# Altium PCB mPCIe_Breakout01_PCBONLY__12132021847.PcbDoc (part 1 of 2) (continued)
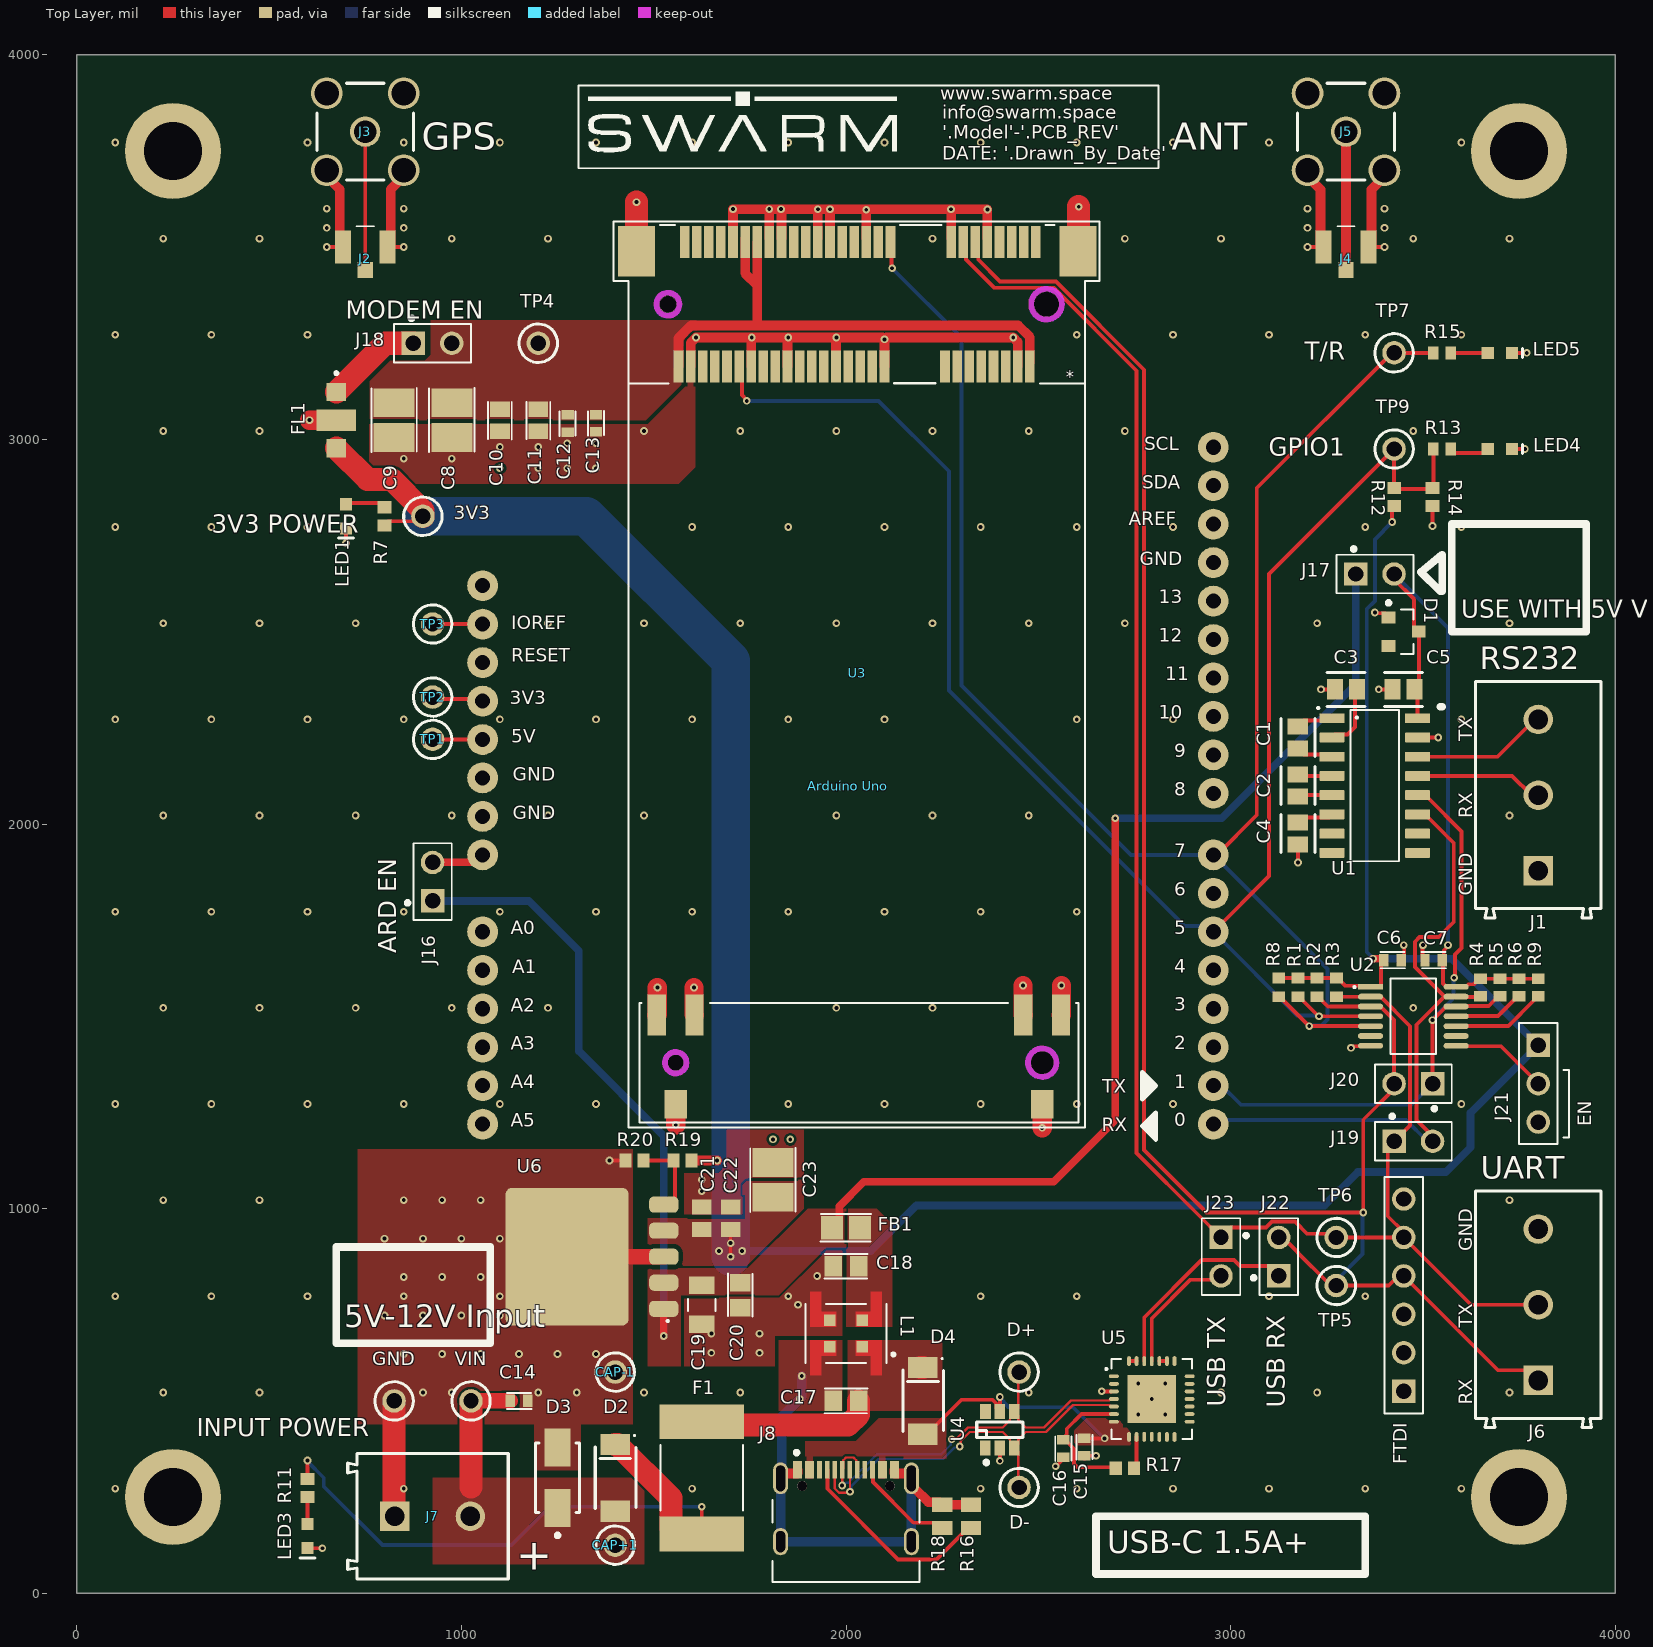
[diagram p0: Top Layer view]
## Design rules (kind name [scope] priority, off if disabled: settings)
AssemblyTestPointUsage [All] p1: allowmultiple=TRUE
AssemblyTestpoint [All] p1: testpointundercomponent=TRUE minsize=30 maxsize=100 preferedsize=35 minholesize=0 maxholesize=40 preferedholesize=0 testpointgrid=1 usegrid=FALSE gridtolerance=0.01 allowsidetop=TRUE allowsidebottom=TRUE minspacing=75 compbodyclearance=2.5
Clearance GND_L01_P173 [InNamedPolygon('GND_L01_P148')] p1: gap=10 ignorepadtopadclearanceinfootprint=FALSE except(0: Arc-Hole Track-Hole SMDPad-Hole THPad-Hole Via-Hole Fill-Hole Poly-Hole Region-Hole Text-Hole; 25: Arc-Fill Arc-Poly Arc-Region Track-Fill Track-Poly Track-Region SMDPad-Fill SMDPad-Poly SMDPad-Region)
Clearance Clearance_1 [InNamedPolygon('GND_L01_P171')] p2: gap=10 ignorepadtopadclearanceinfootprint=FALSE except(0: Arc-Hole Track-Hole SMDPad-Hole THPad-Hole Via-Hole Fill-Hole Poly-Hole Region-Hole Text-Hole; 15: Arc-Fill Arc-Poly Arc-Region Track-Fill Track-Poly Track-Region THPad-Fill THPad-Poly THPad-Region Via-Fill Via-Poly Via-Region Fill-Fill Fill-Poly Fill-Region Poly-Poly Poly-Region Region-Region; 25: SMDPad-Fill SMDPad-Poly SMDPad-Region)
Clearance Clearance_2 [InNamedPolygon('GND_L01_P144')] p3: gap=10 ignorepadtopadclearanceinfootprint=FALSE except(0: Arc-Hole Track-Hole SMDPad-Hole THPad-Hole Via-Hole Fill-Hole Poly-Hole Region-Hole Text-Hole; 15: Arc-Fill Arc-Poly Arc-Region Track-Fill Track-Poly Track-Region THPad-Fill THPad-Poly THPad-Region Via-Fill Via-Poly Via-Region Fill-Fill Fill-Poly Fill-Region Poly-Poly Poly-Region Region-Region; 25: SMDPad-Fill SMDPad-Poly SMDPad-Region)
Clearance Clearance_3 [InNamedPolygon('GND_L01_P179')] p4: gap=10 ignorepadtopadclearanceinfootprint=FALSE except(0: Arc-Hole Track-Hole SMDPad-Hole THPad-Hole Via-Hole Fill-Hole Poly-Hole Region-Hole Text-Hole; 15: Arc-Fill Arc-Poly Arc-Region Track-Fill Track-Poly Track-Region THPad-Fill THPad-Poly THPad-Region Via-Fill Via-Poly Via-Region Fill-Fill Fill-Poly Fill-Region Poly-Poly Poly-Region Region-Region; 25: SMDPad-Fill SMDPad-Poly SMDPad-Region)
Clearance Clearance_4 [InNamedPolygon('GND_L02_P201')] p5: gap=10 ignorepadtopadclearanceinfootprint=FALSE except(0: Arc-Hole Track-Hole SMDPad-Hole THPad-Hole Via-Hole Fill-Hole Poly-Hole Region-Hole Text-Hole; 15: Arc-Fill Arc-Poly Arc-Region Track-Fill Track-Poly Track-Region THPad-Fill THPad-Poly THPad-Region Via-Fill Via-Poly Via-Region Fill-Fill Fill-Poly Fill-Region Poly-Poly Poly-Region Region-Region; 25: SMDPad-Fill SMDPad-Poly SMDPad-Region)
Clearance Clearance_5 [InNamedPolygon('GND_L04_P195')] p6: gap=10 ignorepadtopadclearanceinfootprint=FALSE except(0: Arc-Hole Track-Hole SMDPad-Hole THPad-Hole Via-Hole Fill-Hole Poly-Hole Region-Hole Text-Hole; 15: Arc-Fill Arc-Poly Arc-Region Track-Fill Track-Poly Track-Region THPad-Fill THPad-Poly THPad-Region Via-Fill Via-Poly Via-Region Fill-Fill Fill-Poly Fill-Region Poly-Poly Poly-Region Region-Region; 25: SMDPad-Fill SMDPad-Poly SMDPad-Region)
Clearance [All] p7: gap=6 ignorepadtopadclearanceinfootprint=FALSE except(0: Arc-Hole Track-Hole SMDPad-Hole THPad-Hole Via-Hole Fill-Hole Poly-Hole Region-Hole Text-Hole; 12: SMDPad-Fill SMDPad-Poly SMDPad-Region)
ComponentClearance ComponentClearance_1 [(InComponent('Mod1') OR InComponent('Mod2'))] p1: gap=0 collisioncheckmode=3 verticalgap=0 showdistances=FALSE
ComponentClearance "Test Point Clearance" [All vs HasFootprint('SMT_TESTPOINT')] p2: gap=1 collisioncheckmode=3 verticalgap=1 showdistances=FALSE
ComponentClearance [All] p3: gap=-5 collisioncheckmode=3 verticalgap=-5 showdistances=TRUE
DiffPairsRouting [All] p1: maxlimit=10 minlimit=10 mostfreqgap=10 toplayer_minwidth=15 toplayer_maxwidth=15 toplayer_prefwidth=15 midlayer1_minwidth=15 midlayer1_maxwidth=15 midlayer1_prefwidth=15 midlayer2_minwidth=15 midlayer2_maxwidth=15 midlayer2_prefwidth=15 bottomlayer_minwidth=15 bottomlayer_maxwidth=15 bottomlayer_prefwidth=15 substack1={197EC8CC-9377-4415-BDF7-A3D1EB3DD0FE} toplayer_{197ec8cc-9377-4415-bdf7-a3d1eb3dd0fe}_minwidth=15 toplayer_{197ec8cc-9377-4415-bdf7-a3d1eb3dd0fe}_maxwidth=15 toplayer_{197ec8cc-9377-4415-bdf7-a3d1eb3dd0fe}_prefwidth=15 midlayer1_{197ec8cc-9377-4415-bdf7-a3d1eb3dd0fe}_minwidth=15 midlayer1_{197ec8cc-9377-4415-bdf7-a3d1eb3dd0fe}_maxwidth=15 midlayer1_{197ec8cc-9377-4415-bdf7-a3d1eb3dd0fe}_prefwidth=15 midlayer2_{197ec8cc-9377-4415-bdf7-a3d1eb3dd0fe}_minwidth=15 midlayer2_{197ec8cc-9377-4415-bdf7-a3d1eb3dd0fe}_maxwidth=15 midlayer2_{197ec8cc-9377-4415-bdf7-a3d1eb3dd0fe}_prefwidth=15 bottomlayer_{197ec8cc-9377-4415-bdf7-a3d1eb3dd0fe}_minwidth=15 bottomlayer_{197ec8cc-9377-4415-bdf7-a3d1eb3dd0fe}_maxwidth=15 bottomlayer_{197ec8cc-9377-4415-bdf7-a3d1eb3dd0fe}_prefwidth=15 substack2={3BC1737C-76C4-4E50-9252-438E091EDBF9} toplayer_{3bc1737c-76c4-4e50-9252-438e091edbf9}_minwidth=15 toplayer_{3bc1737c-76c4-4e50-9252-438e091edbf9}_maxwidth=15 toplayer_{3bc1737c-76c4-4e50-9252-438e091edbf9}_prefwidth=15 midlayer1_{3bc1737c-76c4-4e50-9252-438e091edbf9}_minwidth=15 midlayer1_{3bc1737c-76c4-4e50-9252-438e091edbf9}_maxwidth=15 midlayer1_{3bc1737c-76c4-4e50-9252-438e091edbf9}_prefwidth=15 midlayer2_{3bc1737c-76c4-4e50-9252-438e091edbf9}_minwidth=15 midlayer2_{3bc1737c-76c4-4e50-9252-438e091edbf9}_maxwidth=15 midlayer2_{3bc1737c-76c4-4e50-9252-438e091edbf9}_prefwidth=15 bottomlayer_{3bc1737c-76c4-4e50-9252-438e091edbf9}_minwidth=15 bottomlayer_{3bc1737c-76c4-4e50-9252-438e091edbf9}_maxwidth=15 bottomlayer_{3bc1737c-76c4-4e50-9252-438e091edbf9}_prefwidth=15 maxuncoupledlength=500
FabricationTestPointUsage [All] p1: valid=2 allowmultiple=TRUE
FabricationTestpoint [(IsPad And (OnTopLayer Or OnBottomLayer)) Or (IsPad And OnMultiLayer)] p1: side=3 testpointundercomponent=TRUE minsize=35 maxsize=100 preferedsize=60 minholesize=0 maxholesize=40 preferedholesize=32 testpointgrid=1 allowsidetop=TRUE allowsidebottom=TRUE usegrid=TRUE gridtolerance=0.01 minspacing=75 compbodyclearance=75 boardedgeclearance=125
Height [All] p1: minheight=0 maxheight=3000 prefheight=500
HoleSize [All] p1: absolutevalues=TRUE maxlimit=200 minlimit=1 maxpercent=80.000 minpercent=20.000
HoleToHoleClearance [All] p1: gap=20 allowstackedmicrovias=TRUE
MinimumAnnularRing [All] p1: minimumring=5
MinimumSolderMaskSliver [All] p1: minsoldermaskwidth=3
PolygonConnect PolygonConnect_TILE [InNamedPolygon('GND_L01_P148') vs InNamedPolygon('GND_L01_P148')] p1: thpad.connectstyle=Relief thpad.reliefconductorwidth=10 thpad.reliefentries=4 thpad.polygonreliefangle="45 Angle" thpad.airgapwidth=10 smdpad.connectstyle=Relief smdpad.reliefconductorwidth=15 smdpad.reliefentries=4 smdpad.polygonreliefangle="90 Angle" smdpad.airgapwidth=10 via.connectstyle=Direct via.reliefconductorwidth=10 via.reliefentries=4 via.polygonreliefangle="45 Angle" via.airgapwidth=10
PolygonConnect [All] p2: connectstyle=Direct reliefconductorwidth=15 reliefentries=4 polygonreliefangle="90 Angle" airgapwidth=10
RoutingVias [All] p1: holewidth=10 width=20 viastyle="Through Hole" minholewidth=10 minwidth=20 maxholewidth=10 maxwidth=20
SilkToSilkClearance [All] p1: silktosilkclearance=1
SilkToSolderMaskClearance SilkscreenOverComponentPads [IsPad] p1: minsilkscreentomaskgap=2 clearancetoexposedcopper=TRUE
SolderMaskExpansion [All] p1: expansion=2 istentingtop=FALSE
Width [All] p1: maxlimit=100 minlimit=6 preferedwidth=10 toplayer_maxwidth=60 midlayer1_maxwidth=60 midlayer2_maxwidth=60 substack1={197EC8CC-9377-4415-BDF7-A3D1EB3DD0FE} toplayer_{197ec8cc-9377-4415-bdf7-a3d1eb3dd0fe}_maxwidth=30 midlayer1_{197ec8cc-9377-4415-bdf7-a3d1eb3dd0fe}_maxwidth=30 midlayer2_{197ec8cc-9377-4415-bdf7-a3d1eb3dd0fe}_maxwidth=30 bottomlayer_{197ec8cc-9377-4415-bdf7-a3d1eb3dd0fe}_maxwidth=30 substack2={3BC1737C-76C4-4E50-9252-438E091EDBF9} toplayer_{3bc1737c-76c4-4e50-9252-438e091edbf9}_maxwidth=30 midlayer1_{3bc1737c-76c4-4e50-9252-438e091edbf9}_maxwidth=30 midlayer2_{3bc1737c-76c4-4e50-9252-438e091edbf9}_maxwidth=30 bottomlayer_{3bc1737c-76c4-4e50-9252-438e091edbf9}_maxwidth=30 minimp=50.000000 maximp=50.000000 favimp=50.000000
18 further rules are at their usual default settings.

## Classes and differential pairs
component class mPCIe_Breakout01_SCH-PAGE3_POWER_SUPPLY: 3V3 C14 C15 C16 C17 C18 C19 C20 C21 C22 C23 CAP+1 CAP-1 D2 D3 D4 D+ D- F1 FB1 GND J7 J8 J11 J12 J22 J23 L1 LED3 R11 R16 R17 R18 R19 R20 U4 U5 U6 VIN
component class mPCIe_Breakout01-SCH-PAGE2_MAIN: "Arduino Uno" C1 C2 C3 C4 C5 C6 C7 C8 C9 C10 C11 C12 C13 D1 FL1 FTDI J1 J2 J3 J4 J5 J6 J9 J10 J16 J17 J18 J19 J20 J21 LED1 LED4 LED5 PAD1 PAD2 PAD3 PAD4 R1 R2 R3 R4 R5 R6 R7 R8 R9 R12 R13 R14 R15 TP1 TP2 TP3 TP4 TP5 TP6 TP7 TP9 U1 U2 U3
differential pair D: +D_P -D_N

## Components (designator, comment, footprint, x,y, rotation, side; value= is the part's Value field where it differs from the comment)
3V3 "5001" KSTN-5001 900,2800 r0 top value=NA
"Arduino Uno" "ARDUINO UNO" "Arduino Uno" 2000,2300 r270 top locked value=TBD
C1 "CL21B105KBFNNNG" FP-CL21-IPC_C 3175,2225 r270 top value="1 µF"
C2 "CL21B105KBFNNNG" FP-CL21-IPC_C 3175,2100 r270 top value="1 µF"
C3 "CL21B105KBFNNNG" FP-CL21-IPC_C 3300,2350 r180 top value="1 µF"
C4 "CL21B105KBFNNNG" FP-CL21-IPC_C 3175,1975 r270 top value="1 µF"
C5 "CL21B105KBFNNNG" FP-CL21-IPC_C 3450,2350 r180 top value="1 µF"
C6 "CGA3E2X7R1H104K080AA" FP-CL10-0_1-MFG 3421,1646 r0 top value=100nF
C7 "CGA3E2X7R1H104K080AA" FP-CL10-0_1-MFG 3528,1646 r180 top value=100nF
C8 "GRM32ER61A107ME20L" FP-GRM32E-0_3-0_2-IPC_B 975,3050 r270 top value="100 µF"
C9 "GRM32ER61A107ME20L" FP-GRM32E-0_3-0_2-IPC_B 825,3050 r270 top value="100 µF"
C10 "GRM21BR61E106KA73L" FP-GRM21B-0_15-IPC_C 1100,3050 r270 top value="10 µF"
C11 "GRM21BR61E106KA73L" FP-GRM21B-0_15-IPC_C 1200,3050 r270 top value="10 µF"
C12 "CGA3E2X7R1H104K080AA" FP-CL10-0_1-MFG 1276,3041 r270 top value=100nF
C13 "CGA3E2X7R1H104K080AA" FP-CL10-0_1-MFG 1350,3042 r270 top value=100nF
C14 "CGA3E2X7R1H104K080AA" FP-CL10-0_1-MFG 1150,500 r0 top value=100nF
C15 "CGA3E2X7R1H104K080AA" FP-CL10-0_1-MFG 2620,380 r270 top value=100nF
C16 "CGA3E2X7R1H104K080AA" FP-CL10-0_1-MFG 2565,376 r270 top value=100nF
C17 "GRM2195C1H103JA01D" FP-GRM219-0_1-IPC_B 2000,500 r180 top value="10000 pF"
C18 "GRM2195C1H103JA01D" FP-GRM219-0_1-IPC_B 2000,850 r180 top value="10000 pF"
C19 "GRM31CR71H475KA12L" FP-GRM31C-0_2-e0_3_0_8-IPC_C 1625,750 r270 top value="4.7 µF"
C20 "GRM2195C1H103JA01D" FP-GRM219-0_1-IPC_B 1725,775 r270 top value="10000 pF"
C21 "GRM21BR71A475KA73L" CAPC2013X135X45LL10T25 1625,975 r270 top value="4.7 µF"
C22 "GRM21BR71A475KA73L" CAPC2013X135X45LL10T25 1700,975 r270 top value="4.7 µF"
C23 "GRM32ER61A107ME20L" FP-GRM32E-0_3-0_2-IPC_B 1810,1075 r90 top value="100 µF"
CAP+1 "5001" KSTN-5001 1400,125 r90 top value=NA
CAP-1 "5001" KSTN-5001 1400,575 r90 top value=NA
D1 "BZX84B5V1LT1G" ONSC-SOT-23-3-318-08_V 3450,2500 r0 top value="225 mW"
D2 "PMEG3050EP,115" SODFL620X110-2N 1400,300 r270 top value=5A
D3 "SMAJ15A-13-F" FP-SMA-MFG 1250,300 r90 top value=NA
D4 "PMEG3050EP,115" SODFL620X110-2N 2200,500 r270 top value=5A
D+ "5001" KSTN-5001 2450,575 r0 top value=NA
D- "5001" KSTN-5001 2450,275 r90 top value=NA
F1 "0ZCF0200AF2C" FP-0ZCF0200AF2C-MFG 1625,300 r90 top value=2A
FB1 "BLM21SP601SH1D" FP-BLM21-0_2-t0_85-e0_5-d-IPC_A 2000,950 r180 top value="600 Ohms @ 100 MHz"
FL1 "YFF31HC2A105MT000N" FIL_YFF31HC2A104MT000N_YFF31HC2A104MT000N 675,3050 r270 top value=1uF
FTDI "TSW-106-07-F-S" SMTC-TSW-106-07-X-S 3450,525 r90 top value=NA
GND "5001" KSTN-5001 825,500 r0 top value=NA
J1 "691213710003" 691213710003 3800,2075 r90 top value=Green
J2 "U.FL-R-SMT(10)" FP-U_FL-R-SMT_10-MFG 750,3500 r180 top value=NA
J3 "CMP-2000-05705-2" TECO-5-1814832-1_V 750,3800 r90 top
J4 "U.FL-R-SMT(10)" FP-U_FL-R-SMT_10-MFG 3300,3500 r180 top value=NA
J5 "CMP-2000-05705-2" TECO-5-1814832-1_V 3300,3800 r90 top
J6 "691213710003" 691213710003 3800,750 r90 top value=Green
J7 "691213710002" 691213710002 925,200 r0 top value=Green
J8 "USB4105-GF-A" FP-USB4105-GF-A-MFG 2000,180 r0 top value=NA
J16 "TSW-102-07-S-S" SMTC-TSW-102-07-S-S 925,1850 r90 top value=NA
J17 "TSW-102-07-S-S" SMTC-TSW-102-07-S-S 3375,2650 r0 top value=NA
J18 "TSW-102-07-S-S" SMTC-TSW-102-07-S-S 925,3250 r0 top value=NA
J19 "TSW-102-07-S-S" SMTC-TSW-102-07-S-S 3475,1175 r0 top value=NA
J20 "TSW-102-07-S-S" SMTC-TSW-102-07-S-S 3475,1325 r180 top value=NA
J21 "TSW-103-07-L-S" SMTC-TSW-103-07-X-S 3800,1425 r270 top value=NA
J22 "TSW-102-07-S-S" SMTC-TSW-102-07-S-S 3125,875 r90 top value=NA
J23 "TSW-102-07-S-S" SMTC-TSW-102-07-S-S 2975,875 r270 top value=NA
L1 "DLW5ATN112MQ2L" FIL_DLW5ATN112MQ2L 2000,675 r270 top value=2A
LED1 "150060VS75000" WE-150060VS75000_V 700,2800 r90 top value=GRN
LED3 "150060VS75000" WE-150060VS75000_V 600,148.62 r90 top value=GRN
LED4 "150060RS75000" 0603_A 3700,2975 r180 top value=RED
LED5 "150060RS75000" 0603_A 3700,3225 r180 top value=RED
PAD1 "BS35BL05X10RP" Bumper 3400,250 r180 bottom
PAD2 "BS35BL05X10RP" Bumper 250,600 r180 bottom
PAD3 "BS35BL05X10RP" Bumper 3750,3400 r180 bottom
PAD4 "BS35BL05X10RP" Bumper 250,3400 r180 bottom
R1 "ERJ-3GEYJ122V" RESC1608X55X30LL15T15 3175,1575 r90 top value=1K2
R2 "ERJ-3GEYJ122V" RESC1608X55X30LL15T15 3225,1575 r90 top value=1K2
R3 "ERJ-3GEYJ122V" RESC1608X55X30LL15T15 3275,1575 r90 top value=1K2
R4 "CRCW06032K20JNEA" RESC1609X50X30LL10T20 3650,1575 r90 top value=2k2
R5 "CRCW06032K20JNEA" RESC1609X50X30LL10T20 3700,1575 r90 top value=2k2
R6 "CRCW06032K20JNEA" RESC1609X50X30LL10T20 3750,1575 r90 top value=2k2
R7 "ERA3AEB102V" RESC1608X55X30LL20T20 800,2800 r270 top value=1K
R8 "ERJ-3GEYJ122V" RESC1608X55X30LL15T15 3125,1575 r90 top value=1K2
R9 "CRCW06032K20JNEA" RESC1609X50X30LL10T20 3800,1575 r90 top value=2k2
R11 "ERA3AEB102V" RESC1608X55X30LL20T20 600,273.62 r90 top value=1K
R12 "ERA3AEB102V" RESC1608X55X30LL20T20 3425,2850 r270 top value=1K
R13 "CRCW06032K20JNEA" RESC1609X50X30LL10T20 3550,2975 r180 top value=2k2
R14 "ERA3AEB102V" RESC1608X55X30LL20T20 3525,2850 r90 top value=1K
R15 "CRCW06032K20JNEA" RESC1609X50X30LL10T20 3550,3225 r180 top value=2k2
R16 "ERJ6ENF5101V" RESC2013X70X40LL20T20 2325,200 r90 top value=5K1
R17 "ERA3AEB102V" RESC1608X55X30LL20T20 2725,325 r0 top value=1K
R18 "ERJ6ENF5101V" RESC2013X70X40LL20T20 2250,200 r90 top value=5K1
R19 "RG1608P-2552-B-T5" RESC1608X50X30LL20T20 1575,1125 r0 top value="25.5 kOhms"
R20 "ERA3AEB102V" RESC1608X55X30LL20T20 1450,1125 r0 top value=7K5
TP1 "5001" KSTN-5001 925,2220 r90 top value=NA
TP2 "5001" KSTN-5001 925,2330 r90 top value=NA
TP3 "5001" KSTN-5001 925,2520 r90 top value=NA
TP4 "5001" KSTN-5001 1200,3250 r0 top value=NA
TP5 "5001" KSTN-5001 3275,800 r0 top value=NA
TP6 "5001" KSTN-5001 3275,925 r0 top value=NA
TP7 "5001" KSTN-5001 3425,3225 r180 top value=NA
TP9 "5001" KSTN-5001 3425,2975 r0 top value=NA
U1 "MAX232IDR" D0016A_M 3375,2100 r0 top value=NA
U2 "LSF0204DPWR" FP-PW0014A-IPC_B 3475,1500 r0 top value=NA
U3 "A: MM60-52B1-B1-R850 B: MM60-EZH039-B5-R850" RF_VHF_JAE_MM60-52B1-B1-R850_MM60-EZH039-B5-R850_w_2005_mPCIe_card 2521.26,3351.42 r180 top locked value=NA
U4 "USBLC6-4SC6" SM/SOT23-6PIN 2400,425 r90 top value=N/A
U5 "CP2102N-A02-GQFN28" QFN50P500X500X100_HS-29N 2795,505 r0 top value=N/A
U6 "BD00D0AWHFP-TR" TO172P1054X2005-6N 1339.57,875 r90 top value="0.55V @ 1A"
VIN "5001" KSTN-5001 1025,500 r0 top value=NA

## Footprints (in the part's own frame and the unit in brackets; to place one, negate y for a bottom-side part, rotate by r counter-clockwise, add the part's x,y. Pads: shape width x height; smd on the part's side, far side on the other; paste and mask are expansions set on the pad)
0603_A [mm] "Chip LED, 2-Leads, Body 1.6x0.8mm, IPC Medium Density"
  rect 0.8x0.8 smd: 1(-0.8,0) 2(0.8,0)
  silkscreen extent -1.5,-0.3 -1.5,0.3, body extent -0.8,-0.4 0.8,0.4, height 0.7
691213710002 [mm] "5,00mm - modular - green - Horizontal entry with rising cage clamp -  10,0mm height - 02p"
  rect 1.95x1.95 hole 1.3: 1(-2.5,0)
  round 1.95 hole 1.3: 2(2.5,0)
  silkscreen extent -5.6,-4.15 5,4.15, body extent -5.6,-4.15 5,4.15, height 10.05
691213710003 [mm] "5,00mm - modular - green - Horizontal entry with rising cage clamp -  10,0mm height - 03p"
  rect 1.95x1.95 hole 1.3: 1(-5,0)
  round 1.95 hole 1.3: 2(0,0) 3(5,0)
  silkscreen extent -8.1,-4.15 7.5,4.15, body extent -8.1,-4.15 7.5,4.15, height 10.05
"Arduino Uno" [mm]
  round 2.032 / inner round 2.3 / far side round 2.3 hole 1: 0(27.44,24.26) 1(24.9,24.26) 2(22.36,24.26) 3(19.82,24.26) 3.3V(-0.5,-24) 4(17.28,24.26) 5(14.74,24.26) 5V(2.04,-24) 6(12.2,24.26) 7(9.66,24.26) 8(5.596,24.26) 9(3.056,24.26) 10(0.516,24.26) 11(-2.024,24.26) 12(-4.564,24.26) 13(-7.104,24.26) A0(14.74,-24) A1(17.28,-24) A2(19.82,-24) A3(22.36,-24) A4(24.9,-24) A5(27.44,-24) AREF(-12.184,24.26) GND1(7.12,-24) GND2(4.58,-24) GND3(-9.644,24.26) IOREF(-5.58,-24) NC(-8.12,-24) RST(-3.04,-24) SCL(-17.264,24.26) SDA(-14.724,24.26) Vin(9.66,-24)
  silkscreen extent 24.01,19.56 28.46,20.45
Bumper [mil]
  silkscreen extent -188,-187 187,187, body extent -188,-187 188,187, height 191
CAPC2013X135X45LL10T25 [mm] "Chip Capacitor, 2-Leads, Body 2.00x1.25mm, IPC High Density"
  rect 1x1.3 smd: 1(-0.75,0) 2(0.75,0)
  body extent -1.05,-0.67 1.05,0.68, height 1.35
D0016A_M [mm] "SOIC, 16-Leads, Body 10x4mm, Pitch 1.27mm, IPC Low Density"
  rrect15% 1.65x0.65 smd: 1(-2.825,4.445) 2(-2.825,3.175) 3(-2.825,1.905) 4(-2.825,0.635) 5(-2.825,-0.635) 6(-2.825,-1.905) 7(-2.825,-3.175) 8(-2.825,-4.445) 9(2.825,-4.445) 10(2.825,-3.175) 11(2.825,-1.905) 12(2.825,-0.635) 13(2.825,0.635) 14(2.825,1.905) 15(2.825,3.175) 16(2.825,4.445)
  silkscreen extent -3.82,-5 1.6,5.19, body extent -3,-4.95 3,4.95, height 1.59
FIL_DLW5ATN112MQ2L [mm]
  rect 0.75x0.75 smd: 1(0.875,1.075) 2(-0.875,1.075) 3(-0.875,-1.075) 4(0.875,-1.075)
  Top Layer region: -0.45,-2.35 -2.75,-2.35 -2.75,-1.65 -1.45,-1.65 -1.45,-0.65 -0.45,-0.65
  Top Layer region: 0.45,2.35 2.75,2.35 2.75,1.65 1.45,1.65 1.45,0.65 0.45,0.65
  Top Layer region: 0.45,-2.35 2.75,-2.35 2.75,-1.65 1.45,-1.65 1.45,-0.65 0.45,-0.65
  Top Layer region: -0.45,2.35 -2.75,2.35 -2.75,1.65 -1.45,1.65 -1.45,0.65 -0.45,0.65
  silkscreen extent -1.95,-2.66 1.95,3.22, body extent -1.8,-2.5 1.8,2.5, height 2.35
FIL_YFF31HC2A104MT000N_YFF31HC2A104MT000N [mm]
  rect 1.2x1.3 smd: 1(-1.85,0) 3(1.85,0)
  rect 1.4x2.6 smd paste-0.762: 2_4(0,0)
  silkscreen extent -3.2,-0.1 -3,0.1, body extent -1.6,-0.8 1.6,0.8, height 1.5
FP-0ZCF0200AF2C-MFG [mm]
  rect 2.3x5.6 smd paste+0 mask+0: 1(-3.7,0) 2(3.7,0)
  silkscreen extent -2.17,-2.72 2.17,2.72, body extent -3.68,-2.56 3.68,2.56, height 1.71
FP-BLM21-0_2-t0_85-e0_5-d-IPC_A [mil]
  rect 57.28x61.27 smd paste+0 mask+0: 1(-36.44,0) 2(36.44,0)
  silkscreen extent -65,-36 66,36, body extent -39,-25 39,25, height 41
FP-CL10-0_1-MFG [mm]
  rect 0.625x0.825 smd paste+0 mask+0: 1(-0.575,0) 2(0.575,0)
  silkscreen extent -0.81,-0.53 0.81,0.53, body extent -0.8,-0.4 0.8,0.4, height 0.9
FP-CL21-IPC_C [mil]
  rect 41.52x53.39 smd paste+0 mask+0: 1(-28.57,0) 2(28.57,0)
  silkscreen extent -49,-44 49,44, body extent -39,-25 39,25, height 57
FP-GRM21B-0_15-IPC_C [mil]
  rect 39.6x51.5 smd paste+0 mask+0: 1(-28.59,0) 2(28.59,0)
  silkscreen extent -48,-31 50,31, body extent -39,-25 39,25, height 55
FP-GRM31C-0_2-e0_3_0_8-IPC_C [mil]
  rect 45.46x67.17 smd paste+0 mask+0: 1(-50.23,0) 2(50.23,0)
  silkscreen extent -16,-35 16,35, body extent -63,-31 63,31, height 71
FP-GRM32E-0_3-0_2-IPC_B [mil]
  rect 74.92x106.54 smd paste+0 mask+0: 1(-45.3,0) 2(45.3,0)
  silkscreen extent -84,-59 83,59, body extent -63,-49 63,49, height 106
FP-GRM219-0_1-IPC_B [mil]
  rect 45.58x53.63 smd paste+0 mask+0: 1(-32.57,0) 2(32.57,0)
  silkscreen extent -56,-32 56,32, body extent -39,-25 39,25, height 38
FP-PW0014A-IPC_B [mm]
  rect 1.655x0.381 smd paste+0 mask+0: 1(-2.825,1.95)
  rrect100% 1.655x0.381 smd paste+0 mask+0: 2(-2.825,1.3) 3(-2.825,0.65) 4(-2.825,0) 5(-2.825,-0.65) 6(-2.825,-1.3) 7(-2.825,-1.95) 8(2.825,-1.95) 9(2.825,-1.3) 10(2.825,-0.65) 11(2.825,0) 12(2.825,0.65) 13(2.825,1.3) 14(2.825,1.95)
  silkscreen extent -3.96,-2.5 1.5,2.5, body extent -3.17,-2.5 3.23,2.5, height 1.2
FP-SMA-MFG [mm]
  rect 2.5x1.7 smd paste+0 mask+0: 1(-2,0) 2(2,0)
  silkscreen extent -3.92,-1.46 2.3,1.46, body extent -3.35,-1.56 3.35,1.56, height 0.25
FP-U_FL-R-SMT_10-MFG [mm]
  rect 1x1.05 smd paste-1000 mask+0: 1(0,1.525)
  rect 1.05x2.2 smd paste-1000 mask+0: 2(-1.475,0) 3(1.475,0)
  silkscreen extent -0.58,-1.38 0.58,-1.38, body extent -1.3,-1.3 1.3,1.3, height 0.35
FP-USB4105-GF-A-MFG [mm]
  rrect100% 1x2.1 hole 1.7 slot 0.6 at 0 deg paste-1000 mask+0: 1(-4.32,3.015) 2(4.32,3.015)
  rrect100% 1x1.8 hole 1.4 slot 0.6 at 0 deg paste-1000 mask+0: 3(-4.32,-1.165) 4(4.32,-1.165)
  rect 0.6x1.15 smd paste+0 mask+0: A1-B12(-3.2,3.59) A4-B9(-2.4,3.59) B1-A12(3.2,3.59) B4-A9(2.4,3.59)
  rect 0.3x1.15 smd paste+0 mask+0: A5(-1.25,3.59) A6(-0.25,3.59) A7(0.25,3.59) A8(1.25,3.59) B5(1.75,3.59) B6(0.75,3.59) B7(-0.75,3.59) B8(-1.75,3.59)
  round 0.65 hole 0.65 unplated paste-1000 mask+0: ""(-2.89,2.515) ""(2.89,2.515)
  silkscreen extent -4.86,-3.84 4.86,4.84, body extent -4.79,-3.76 4.79,3.77, height 3.26
KSTN-5001 [mm] "Test Point, Through Hole, Dia 2.54mm"
  round 1.55 hole 1.016: 1(0,0)
  silkscreen extent -1.27,-1.27 1.27,1.27, body extent -1.25,-1.25 1.25,1.25, height 4.62
ONSC-SOT-23-3-318-08_V [mm] "SOT23, 3-Leads, Body 2.92x1.3mm, Pitch 0.95mm"
  rect 0.9x0.8 smd: 1(-1,0.95) 2(-1,-0.95) 3(1,0)
  silkscreen extent -1.12,-1.46 0.65,2.02, body extent -0.65,-1.46 0.65,1.46, height 1.11
QFN50P500X500X100_HS-29N [mm] "QFN, 28-Leads, Body 5.00x5.00mm, Pitch 0.50mm, Thermal Pad 4.00x2.20mm, IPC Medium Density"
  oval 0.65x0.25 smd: 1(-2.5,1.5) 2(-2.5,1) 3(-2.5,0.5) 4(-2.5,0) 5(-2.5,-0.5) 6(-2.5,-1) 7(-2.5,-1.5) 15(2.5,-1.5) 16(2.5,-1) 17(2.5,-0.5) 18(2.5,0) 19(2.5,0.5) 20(2.5,1) 21(2.5,1.5)
  oval 0.25x0.65 smd: 8(-1.5,-2.5) 9(-1,-2.5) 10(-0.5,-2.5) 11(0,-2.5) 12(0.5,-2.5) 13(1,-2.5) 14(1.5,-2.5) 22(1.5,2.5) 23(1,2.5) 24(0.5,2.5) 25(0,2.5) 26(-0.5,2.5) 27(-1,2.5) 28(-1.5,2.5)
  rect 3.2x3.2 smd paste-2.032: 29(0,0)
  silkscreen extent -3.07,-2.65 2.65,2.65, body extent -2.53,-2.53 2.53,2.53, height 1
RESC1608X50X30LL20T20 [mm] "Chip Resistor, 2-Leads, Body 1.60x0.80mm, IPC High Density"
  rect 0.8x0.9 smd: 1(-0.6,0) 2(0.6,0)
  body extent -0.9,-0.5 0.9,0.5, height 0.5
RESC1608X55X30LL15T15 [mm] "Chip Resistor, 2-Leads, Body 1.60x0.80mm, IPC High Density"
  rect 0.7x0.85 smd: 1(-0.625,0) 2(0.625,0)
  body extent -0.87,-0.48 0.87,0.48, height 0.55
RESC1608X55X30LL20T20 [mm] "Chip Resistor, 2-Leads, Body 1.60x0.80mm, IPC High Density"
  rect 0.8x0.9 smd: 1(-0.6,0) 2(0.6,0)
  body extent -0.9,-0.5 0.9,0.5, height 0.55
RESC1609X50X30LL10T20 [mm] "Chip Resistor, 2-Leads, Body 1.55x0.85mm, IPC High Density"
  rect 0.7x0.85 smd: 1(-0.575,0) 2(0.575,0)
  body extent -0.82,-0.48 0.82,0.48, height 0.5
RESC2013X70X40LL20T20 [mm] "Chip Resistor, 2-Leads, Body 2.00x1.25mm, IPC High Density"
  rect 0.95x1.35 smd: 1(-0.775,0) 2(0.775,0)
  body extent -1.1,-0.72 1.1,0.72, height 0.7
RF_VHF_JAE_MM60-52B1-B1-R850_MM60-EZH039-B5-R850_w_2005_mPCIe_card [mm]
  rect 0.635x2.108 smd mask+0.025: 1(0.7,-4.1) 2(1.1,4.1) 3(1.5,-4.1) 4(1.9,4.1) 5(2.3,-4.1) 6(2.7,4.1) 7(3.1,-4.1) 8(3.5,4.1) 9(3.9,-4.1) 10(4.3,4.1) 11(4.7,-4.1) 12(5.1,4.1) 13(5.5,-4.1) 14(5.9,4.1) 15(6.3,-4.1) 16(6.7,4.1) 17(10.3,-4.1) 18(10.7,4.1) 19(11.1,-4.1) 20(11.5,4.1) 21(11.9,-4.1) 22(12.3,4.1) 23(12.7,-4.1) 24(13.1,4.1) 25(13.5,-4.1) 26(13.9,4.1) 27(14.3,-4.1) 28(14.7,4.1) 29(15.1,-4.1) 30(15.5,4.1) 31(15.9,-4.1) 32(16.3,4.1) 33(16.7,-4.1) 34(17.1,4.1) 35(17.5,-4.1) 36(17.9,4.1) 37(18.3,-4.1) 38(18.7,4.1) 39(19.1,-4.1) 40(19.5,4.1) 41(19.9,-4.1) 42(20.3,4.1) 43(20.7,-4.1) 44(21.1,4.1) 45(21.5,-4.1) 46(21.9,4.1) 47(22.3,-4.1) 48(22.7,4.1) 49(23.1,-4.1) 50(23.5,4.1) 51(23.9,-4.1) 52(24.3,4.1)
  rect 2.438x3.353 smd: 53(-2.075,-3.5) 54(27.075,-3.5)
  rect 1.5x1.9 smd: S1_1(0.288,52.839) S2_1(24.488,52.839)
  rect 1.2x2.7 smd: S1_2(-0.962,46.939) S1_3(1.538,46.939) S2_2(23.238,46.939) S2_3(25.738,46.939)
  round 1.626 hole 1.626 unplated: ""(0,0)
  round 1.55 hole 1.55 unplated mask+0.102: ""(0.288,50.089)
  round 1.05 hole 1.05 unplated: ""(24.488,50.089)
  round 1.118 hole 1.118 unplated: ""(25,0)
  Keep-Out Layer circle w0.381: c24.486,50.089 r0.711
  Keep-Out Layer circle w0.381: c0.279,50.089 r0.94
  Keep-Out Layer circle w0.381: c25,0 r0.762
  Keep-Out Layer circle w0.381: c0,0 r1.016
  silkscreen extent -3.51,-5.46 28.6,54.37, body extent -2.48,-5.04 27.52,54.06, height 6.9
SM/SOT23-6PIN [mm]
  rect 1x0.7 smd mask+0.064: 1(-1.2,0.953)
  rect 1x0.7 smd mask+0.038: 2(-1.2,0) 3(-1.2,-0.95) 4(1.2,-0.95) 5(1.2,0) 6(1.2,0.95)
  silkscreen extent -2.29,-1.52 0.51,1.52, body extent -1.49,-1.5 1.51,1.5, height 1.45
SMTC-TSW-102-07-S-S [mm] "Header, 2-Leads, Body 5.08x2.54mm, Pitch 2.54mm"
  rect 1.55x1.55 hole 1.02: 1(-1.27,0)
  round 1.55 hole 1.02: 2(1.27,0)
  silkscreen extent -2.54,-1.27 2.54,1.78, body extent -2.54,-1.27 2.67,1.27, height 8.38
SMTC-TSW-103-07-X-S [mm] ".025 SQ Post Terminal Strip Assembly, 1x3 Pins, Vertical, 2.54mm Pitch, Male"
  rect 1.55x1.55 hole 1.02: 1(0,0)
  round 1.55 hole 1.02: 2(2.54,0) 3(5.08,0)
  silkscreen extent -1.46,-1.27 6.54,1.27, body extent -1.27,-1.27 6.35,1.27, height 8.38
SMTC-TSW-106-07-X-S [mm] ".025 SQ Post Terminal Strip Assembly, 1x6 Pins, Vertical, 2.54mm Pitch, Male"
  rect 1.55x1.55 hole 1.02: 1(0,0)
  round 1.55 hole 1.02: 2(2.54,0) 3(5.08,0) 4(7.62,0) 5(10.16,0) 6(12.7,0)
  silkscreen extent -1.46,-1.27 14.16,1.27, body extent -1.27,-1.24 13.97,1.3, height 8.38
SODFL620X110-2N [mm] "SODFL, 2-Leads, Body 2.50x6.20mm, IPC Medium Density"
  rect 1.4x1.95 smd: A(2.2,0) K(-2.2,0)
  silkscreen extent -2.85,-1.32 2.01,1.37, body extent -2,-1.35 2,1.35, height 1.1
TECO-5-1814832-1_V [mm] "THD, 5-Leads, Body 6.4x6.4mm, Pitch 5.08mm"
  round 2 hole 1.5: 1(0,0)
  round 2.1 hole 1.6: 2(-2.54,2.54) 3(-2.54,-2.54) 4(2.54,-2.54) 5(2.54,2.54)
  silkscreen extent -3.2,-3.2 3.2,3.2, body extent -3.21,-3.21 3.19,3.19, height 9.5
TO172P1054X2005-6N [mm]
  rrect53% 1.06x1.92 smd: 1(-3.44,-4.74) 2(-1.72,-4.74) 3(0,-4.74) 4(1.72,-4.74) 5(3.44,-4.74)
  rrect10% 9.09x8.12 smd paste-6: 6(0,1.64)
  silkscreen extent -4.33,-5.08 -4.17,-4.92, body extent -4.7,-4.95 4.7,5.59, height 1.91
WE-150060VS75000_V [mm] "SMD, 2-Leads, Body 1.6x0.8mm"
  rect 0.8x0.8 smd: 1(-0.8,0) 2(0.8,0)
  silkscreen extent -1.45,-0.51 -1.45,0.49, body extent -0.8,-0.4 0.8,0.4, height 0.7